# Altium PCB Copy of bms_R00.PcbDoc (part 1 of 3)
Units mm, origin at the board's own origin, x right, y up, seen from the top; angles counter-clockwise.
Board outline 110 x 142 mm, 2 copper layers (Top Layer, Bottom Layer); 311 components, 169 nets, 819 pads, 521 vias.
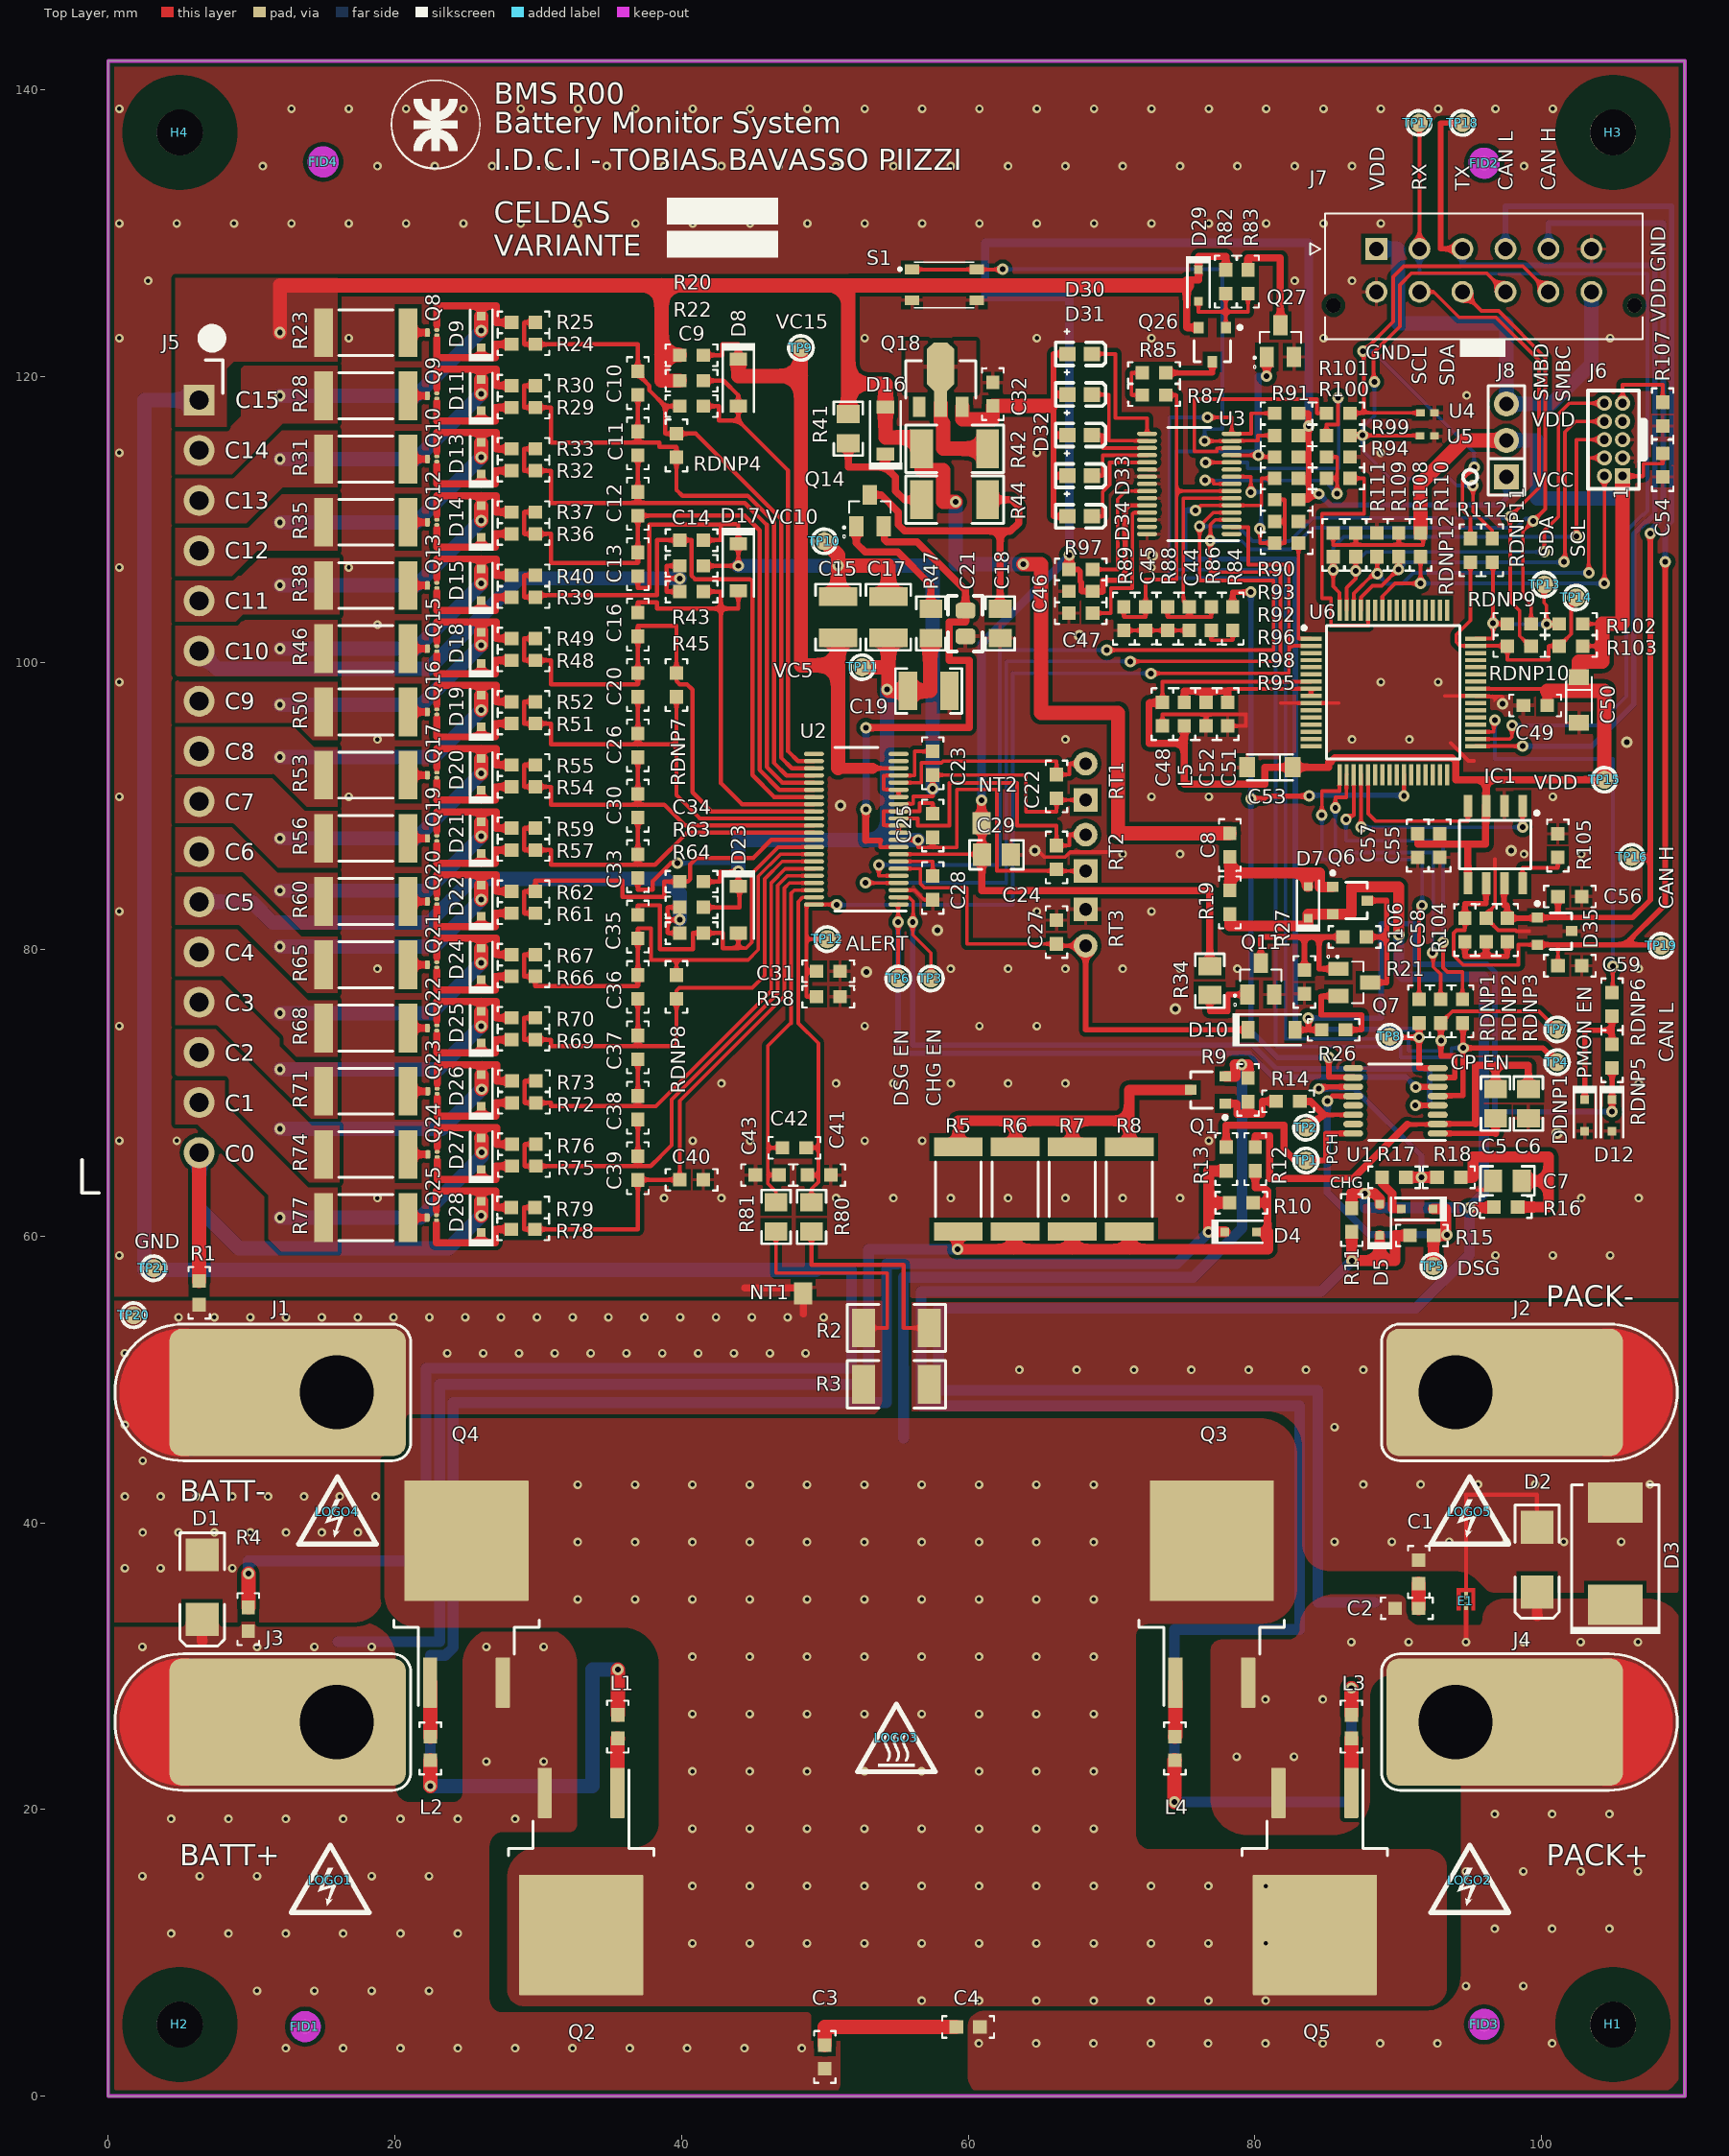
[diagram p0: Top Layer view]
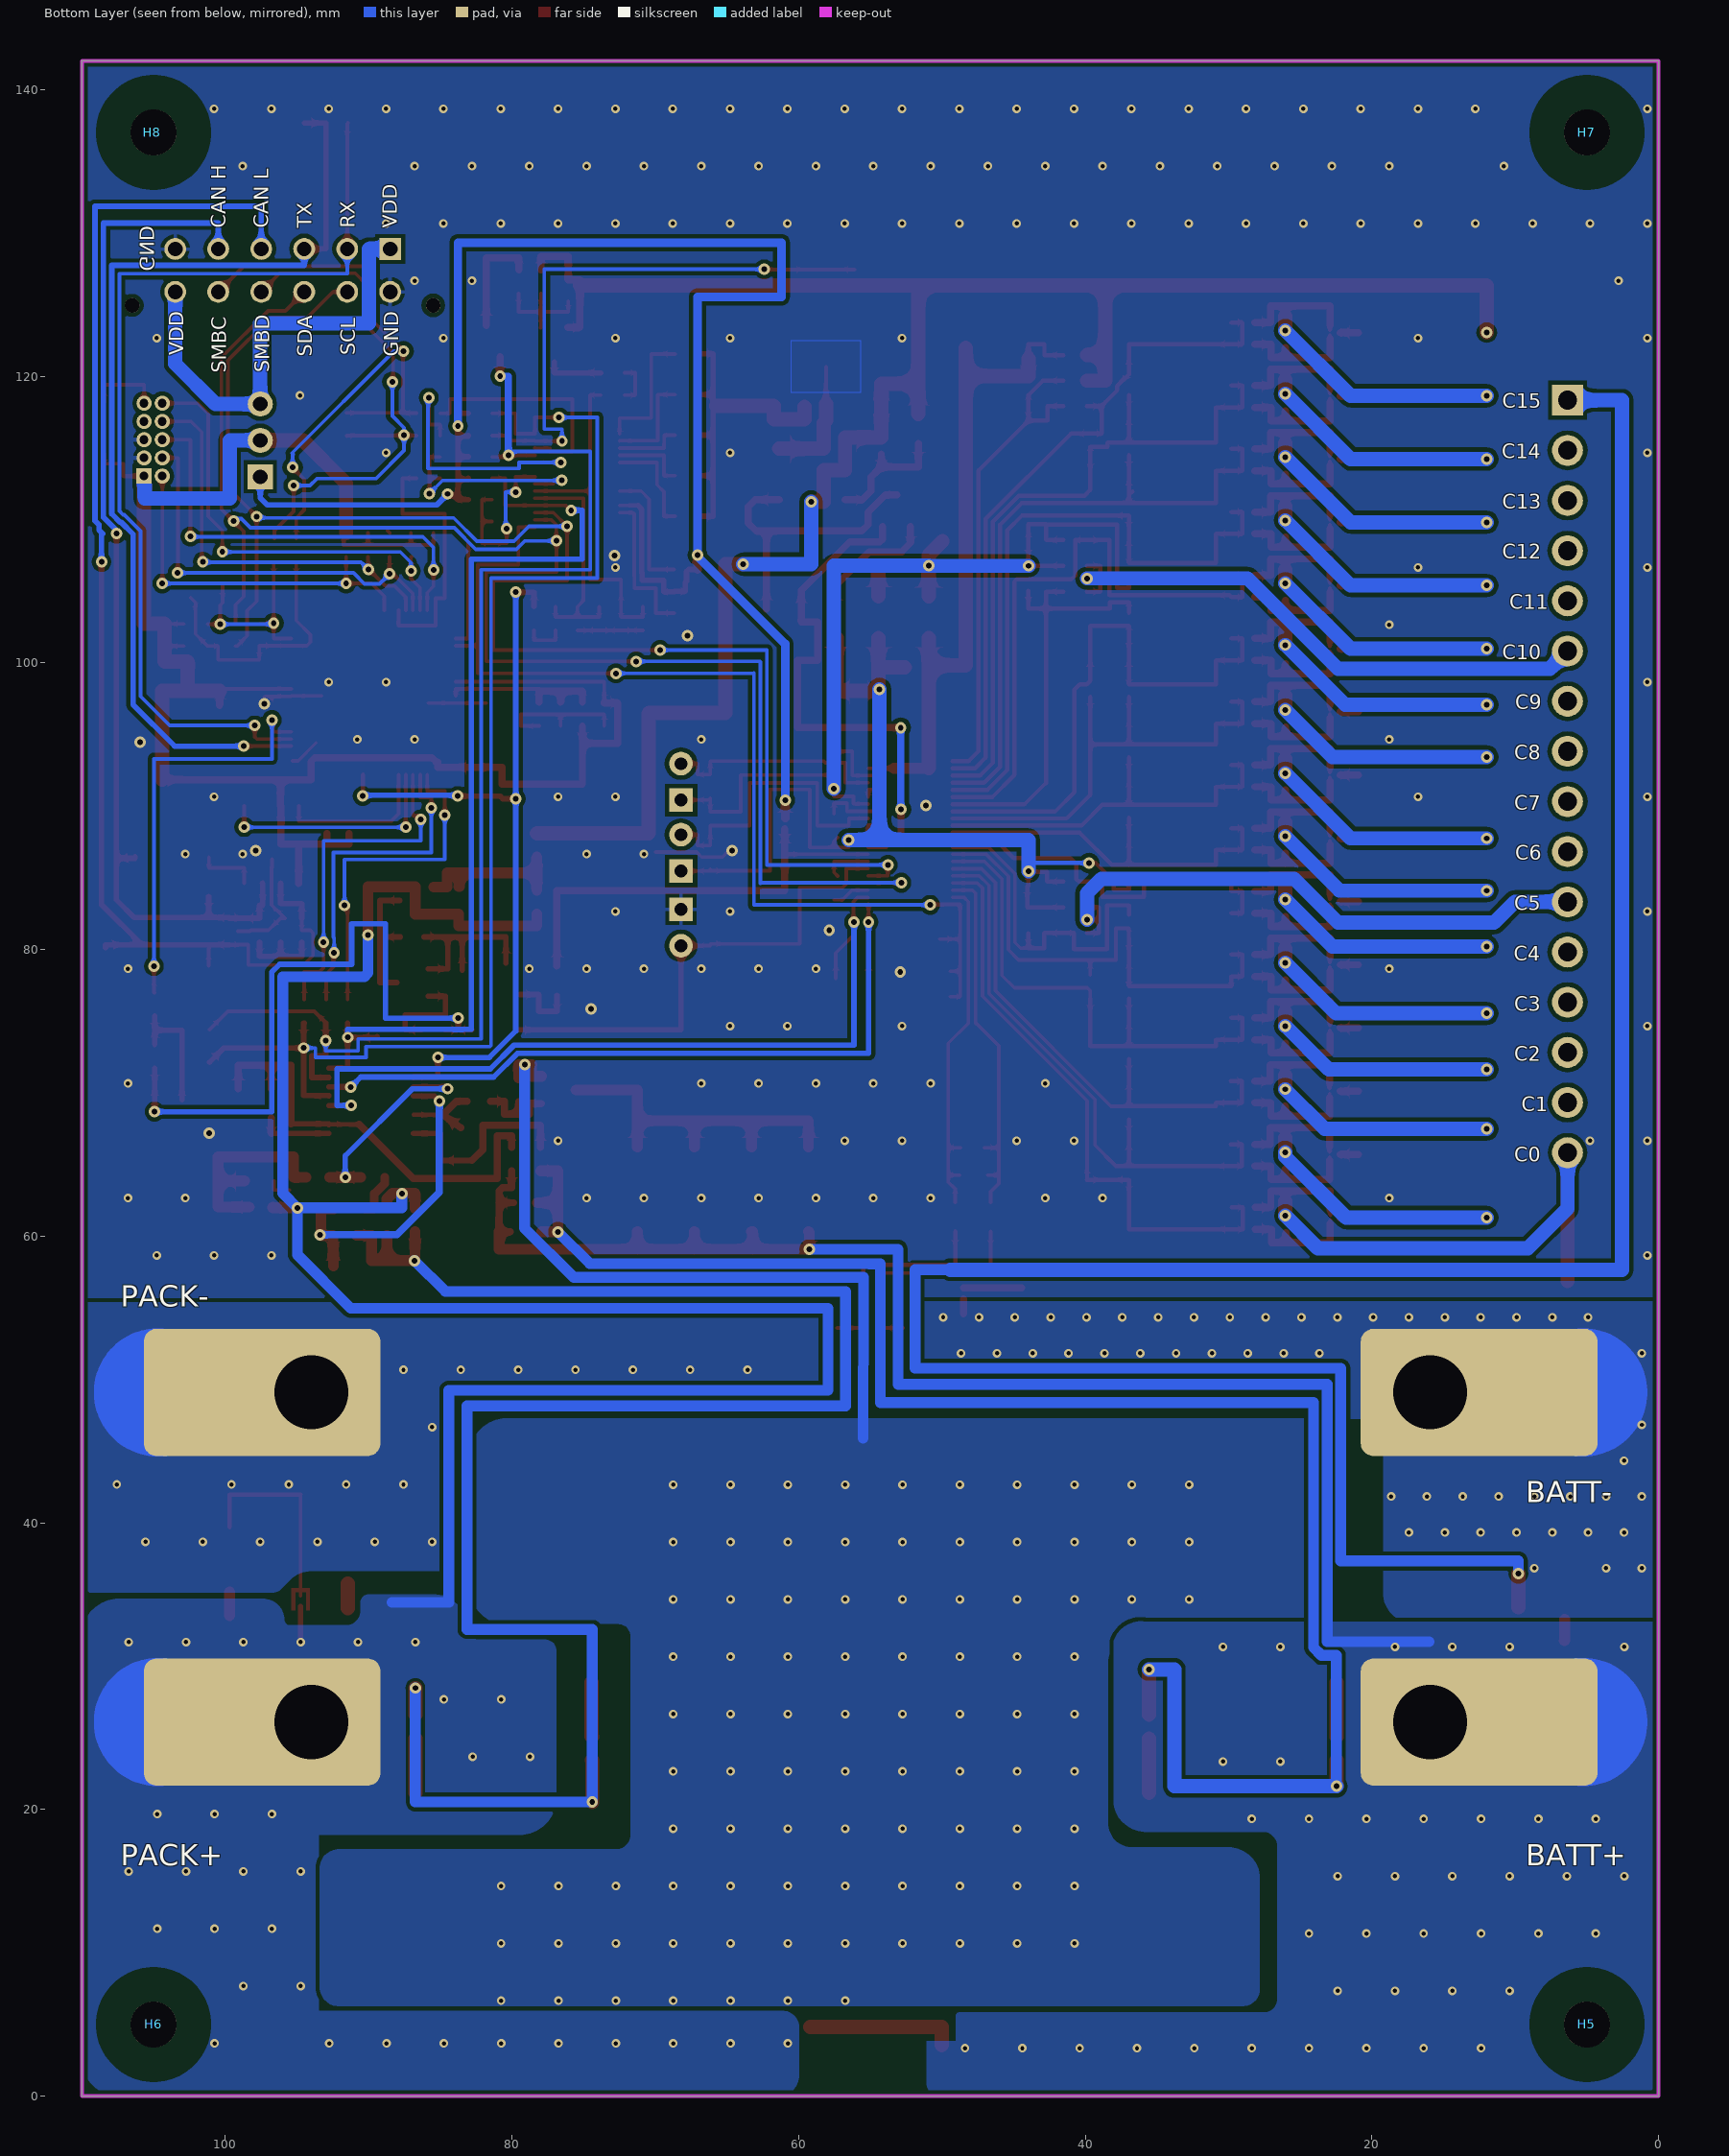
[diagram p1: Bottom Layer view, seen from below]

## Layer stack, top to bottom
Top Solder: solder mask 0.0102, Solder Resist, Dk 3.5
Top Layer: signal copper 0.0356
Dielectric 1: dielectric 0.32, FR-4, Dk 4.8
Bottom Layer: signal copper 0.0356
Bottom Solder: solder mask 0.0102, Solder Resist, Dk 3.5

## Board outline
0,0 110,0 110,142 0,142

## Design rules (kind name [scope] priority, off if disabled: settings)
Clearance Clearance_POLY [InPolygon] p1: gap=0.3 ignorepadtopadclearanceinfootprint=TRUE
Clearance [Not HasFootprint('YJC0003A')] p2: gap=0.2 ignorepadtopadclearanceinfootprint=TRUE
Clearance Clearance_YJC0003A [HasFootprint('YJC0003A')] p3: gap=0 ignorepadtopadclearanceinfootprint=TRUE
HoleSize [All] p1: absolutevalues=TRUE maxlimit=6 minlimit=0.025 maxpercent=80.000 minpercent=20.000
MinimumSolderMaskSliver [All] p1: minsoldermaskwidth=0.2
PolygonConnect PolygonConnect_BATT+_BATT-_ [InNet('BATT+') or InNet('NetQ1_2') or InNet('CD') or InNet('BATT-') or InNet('PACK-') or InNet('PACK+')] p1: connectstyle=Direct reliefconductorwidth=0.8 reliefentries=4 polygonreliefangle="90 Angle" airgapwidth=0.254
PolygonConnect PolygonConnect_BATT [InComponent('J5') or HasFootprint('2512')] p2: connectstyle=Direct reliefconductorwidth=0.254 reliefentries=4 polygonreliefangle="90 Angle" airgapwidth=0.254
PolygonConnect PolygonConnect_GND [IsVia or HasFootprint('LQFP64-NXP')] p3: connectstyle=Direct reliefconductorwidth=0.254 reliefentries=4 polygonreliefangle="90 Angle" airgapwidth=0.254
PolygonConnect [All] p4: connectstyle=Relief reliefconductorwidth=0.254 reliefentries=4 polygonreliefangle="90 Angle" airgapwidth=0.254
RoutingVias RoutingVias_Thermal [IsVia and InAnyComponent] p1: holewidth=0.6 width=0.6 viastyle="Through Hole" minholewidth=0.3 minwidth=0.6 maxholewidth=0.35 maxwidth=0.7
RoutingVias [All] p2: holewidth=0.4 width=0.8 viastyle="Through Hole" minholewidth=0.3 minwidth=0.6 maxholewidth=1.016 maxwidth=1.651 useviatemplates=TRUE viatemplateguid#1={D29B5D74-2D70-4FD3-8DB8-C743B85C67C7} viatemplateguid#2={ABEBCF98-4E6C-4675-89E7-E3AA939F9C25} viatemplatename#1=v60h30m0mx0 viatemplatename#2=v80h40m0mx0
ShortCircuit [All] p1: allowed=TRUE
SilkToSilkClearance [All] p1: silktosilkclearance=0.2
SolderMaskExpansion [All] p1: expansion=0.102
UnRoutedNet [All] p1: checkbadconnections=TRUE
Width Width_70V [(InNet('VDDCP') OR InNet('CHG') OR InNet('DSG') OR InNet('CD') OR InNet('PCHG') OR InNet('PDRAIN') OR InNet('CGATE') OR InNet('PGATE') OR InNet('DGATE') OR InNet('PACK') OR InNet('PACKDIV') OR InNet('PACK+'))] p1: maxlimit=1.27 minlimit=0.3 preferedwidth=0.762
Width [All] p2: maxlimit=2.54 minlimit=0.2 preferedwidth=0.254
25 further rules are at their usual default settings.

## Classes and differential pairs
component class bms_BLOCKS_R00: FID1 FID2 FID3 FID4 H1 H2 H3 H4 H5 H6 H7 H8 LOGO1 LOGO2 LOGO3 LOGO4 LOGO5 RDNP1 RDNP2 RDNP3
component class Designator: C8 C9 C10 C11 C12 C13 C14 C15 C16 C17 C18 C19 C20 C21 C22 C23 C24 C25 C26 C27 C28 C29 C30 C31 C32 C33 C34 C35 C36 C37 C38 C39 C40 C41 C42 C43 C? D7 D8 D9 D10 D11 D12 D13 D14 D15 D16 D17 D18 D19 D20 D21 D22 D23 D24 D25 D26 D27 D28 D? DDNP1 J5 J? L? NT2 Q6 Q7 Q8 Q9 Q10 Q11 Q12 Q13 Q14 Q15 Q16 Q17 Q18 Q19 Q20 Q21 Q22 Q23 Q24 Q25 Q? R19 R20 R21 R22 R23 R24 R25 R26 R27 R28 R29 R30 R31 R32 R33 R34 R35 R36 R37 R38 R39 R40 R41 R42 R43 R44 R45 R46 R47 R48 R49 R50 R51 R52 R53 R54 R55 R56 R57 R58 R59 R60 R61 R62 R63 R64 R65 R66 R67 R68 R69 R70 R71 R72 R73 R74 R75 R76 R77 R78 R79 R80 R81 R? RDNP4 RDNP5 RDNP6 RDNP7 RDNP8 RT1 RT2 RT3 TP9 TP10 TP11 TP12 U2

## Components (designator, comment, footprint, x,y, rotation, side; value= is the part's Value field where it differs from the comment)
C1 "100nF" C0603 91.44,36.576 r90 top
C2 "100nF" C0603 90.615,34.036 r0 top
C3 "100nF" C0603 50,2.73 r90 top
C4 "100nF" C0603 60,4.826 r0 top
C5 "1.5µF" 0805_HV_2 96.799,69.253 r270 top
C6 "10nF" 0805_HV_2 99.085,69.253 r90 top
C7 "10nF" 0805_HV_2 97.625,63.856 r180 top
C8 "470pF" C0603 78.257,87.287 r90 top
C9 "220nF" C0603 40.704,117.907 r0 top
C10 "220nF" C0603 36.957,119.52 r90 top
C11 "220nF" C0603 36.957,115.307 r90 top
C12 "220nF" C0603 36.957,111.093 r90 top
C13 "220nF" C0603 36.957,106.88 r90 top
C14 "220nF" C0603 40.704,108.56 r180 top
C15 "10µF" 1210_270 50.927,103.18 r270 top
C16 "220nF" C0603 36.957,102.666 r90 top
C17 "10µF" 1210_270 54.441,103.18 r90 top
C18 "1µF" 0805_HV_2 62.231,102.743 r90 top
C19 "10µF" 1210_270 57.247,98.044 r180 top
C20 "220nF" C0603 36.957,98.453 r90 top
C21 "1µF" 0805 59.817,102.743 r90 top
C22 "4700pF" C0603 66.167,91.377 r90 top
C23 "1µF" C0603 57.531,92.995 r90 top
C24 "4700pF" C0603 66.167,86.424 r90 top
C25 "1µF" C0603 57.531,88.646 r90 top
C26 "220nF" C0603 36.957,94.239 r90 top
C27 "4700pF" C0603 66.167,81.217 r270 top
C28 "1µF" C0603 57.531,84.297 r90 top
C29 "4.7µF" 0805_HV_2 61.976,86.614 r180 top
C30 "220nF" C0603 36.957,90.026 r90 top
C31 "470pF" C0603 50.241,78.486 r180 top
C32 "220nF" C0603 61.722,118.745 r270 top
C33 "220nF" C0603 36.957,85.812 r90 top
C34 "220nF" C0603 40.704,84.734 r180 top
C35 "220nF" C0603 36.957,81.599 r90 top
C36 "220nF" C0603 36.957,77.385 r90 top
C37 "220nF" C0603 36.957,73.172 r90 top
C38 "220nF" C0603 36.957,68.958 r90 top
C39 "220nF" C0603 36.957,64.745 r90 top
C40 "220nF" C0603 40.704,63.932 r180 top
C41 "220nF" C0603 49.606,64.262 r0 top
C42 "220nF" C0603 47.879,66.167 r0 top
C43 "220nF" C0603 45.974,64.262 r0 top
C44 "3.3nF" C0603 75.438,103.085 r90 top
C45 "3.3nF" C0603 72.39,103.085 r90 top
C46 "100nF" C0603 67.857,104.99 r0 top
C47 "100nF" C0603 67.857,103.466 r0 top
C48 "100nF" C0603 73.558,96.418 r90 top
C49 "100nF" C0603 99.568,97.028 r0 top
C50 "10uF/16V" "1206 Cap Tant" 102.616,97.409 r90 top
C51 "100nF" C0603 78.104,96.418 r90 top
C52 "100nF" C0603 76.606,96.418 r90 top
C53 "10uF/16V" "1206 Cap Tant" 81.051,92.71 r0 top
C54 "100nF" C0603 108.458,113.792 r90 top
C55 "100nF" C0603 91.364,87.249 r90 top
C56 "100pF/50V" C0603 101.981,83.693 r180 top
C57 "100nF" C0603 92.913,87.249 r270 top
C58 "39nF" C0603 96.139,81.356 r270 top
C59 "100pF/50V" C0603 101.981,78.867 r0 top
D1 "SMAJ60CA" DO-214AB(SMA) 6.553,35.509 r270 top
D2 "SMAJ60CA" DO-214AB(SMA) 99.695,37.429 r270 top
D3 "ES3D-E3/57T" SMC 105.156,37.846 r90 top value=200V
D4 "MMSZ5246BS-7-F" sod-323 79.019,60.3 r0 top value=16V
D5 "MMSZ5246BS-7-F" sod-323 88.722,61.146 r90 top value=16V
D6 "MMSZ5246BS-7-F" sod-323 91.338,61.896 r180 top value=16V
D7 "MMSZ5248BS-7-F" sod-323 83.718,83.287 r90 top value=18V
D8 "1N4148W-7-F" SOD-123 43.967,119.558 r270 top value=100V
D9 "MMSZ5232BS-7-F" sod-323 26.035,123.093 r90 top value=5.6V
D10 "1N4148W-7-F" SOD-123 81.178,74.397 r0 top value=100V
D11 "MMSZ5232BS-7-F" sod-323 26.035,118.683 r90 top value=5.6V
D12 "MMSZ5228BS-7-F" sod-323 104.927,68.428 r270 top value=3.9V
D13 "MMSZ5232BS-7-F" sod-323 26.035,114.271 r90 top value=5.6V
D14 "MMSZ5232BS-7-F" sod-323 26.035,109.861 r90 top value=5.6V
D15 "MMSZ5232BS-7-F" sod-323 26.035,105.45 r90 top value=5.6V
D16 "1N4148W-7-F" SOD-123 54.229,116.205 r90 top value=100V
D17 "1N4148W-7-F" SOD-123 43.967,106.668 r270 top value=100V
D18 "MMSZ5232BS-7-F" sod-323 26.035,101.04 r90 top value=5.6V
D19 "MMSZ5232BS-7-F" sod-323 26.035,96.629 r90 top value=5.6V
D20 "MMSZ5232BS-7-F" sod-323 26.035,92.219 r90 top value=5.6V
D21 "MMSZ5232BS-7-F" sod-323 26.035,87.81 r90 top value=5.6V
D22 "MMSZ5232BS-7-F" sod-323 26.035,83.399 r90 top value=5.6V
D23 "1N4148W-7-F" SOD-123 43.967,82.779 r270 top value=100V
D24 "MMSZ5232BS-7-F" sod-323 26.035,78.988 r90 top value=5.6V
D25 "MMSZ5232BS-7-F" sod-323 26.035,74.578 r90 top value=5.6V
D26 "MMSZ5232BS-7-F" sod-323 26.035,70.167 r90 top value=5.6V
D27 "MMSZ5232BS-7-F" sod-323 26.035,65.757 r90 top value=5.6V
D28 "MMSZ5232BS-7-F" sod-323 26.035,61.346 r90 top value=5.6V
D29 "MMSZ5248BS-7-F" sod-323 76.073,126.328 r270 top value=18V
D30 "LED GREEN" LED0603-G 67.78,121.551 r180 top
D31 "LED YELLOW" LED0603-Y 67.78,118.719 r180 top
D32 "LED YELLOW" LED0603-Y 67.78,115.887 r180 top
D33 "LED RED" LED0603-R 67.78,113.055 r180 top
D34 "LED RED" LED0603-R 67.78,110.223 r180 top
D35 "NUP2105L" SOT-23#1 100.914,81.281 r270 top
DDNP1 "MMSZ5228BS-7-F" sod-323 103.022,68.428 r270 top value=3.9V
E1 "N/A" SPARK_GAP2 94.742,34.671 r180 top
FID1 "Fiducial" Fiducial10-20 13.741,4.851 r180 top
FID2 "Fiducial" Fiducial10-20 96,134.861 r180 top
FID3 "Fiducial" Fiducial10-20 96,5 r180 top
FID4 "Fiducial" Fiducial10-20 15,134.95 r180 top
H1 "NY PMS 440 0025 PH" "NY PMS 440 0025 PH" 105,5 r0 top locked
H2 "NY PMS 440 0025 PH" "NY PMS 440 0025 PH" 5,5 r0 top locked
H3 "NY PMS 440 0025 PH" "NY PMS 440 0025 PH" 105,137 r0 top
H4 "NY PMS 440 0025 PH" "NY PMS 440 0025 PH" 5,137 r0 top
H5 "1902C" Keystone_1902C 5,5 r180 bottom locked
H6 "1902C" Keystone_1902C 105,5 r180 bottom locked
H7 "1902C" Keystone_1902C 5,137 r180 bottom
H8 "1902C" Keystone_1902C 105.098,137 r180 bottom
IC1 "TJA1441xx" SOIC8 96.774,87.318 r270 top
J1 "L35" TB_L35 15.949,49.099 r180 top
J2 "L35" TB_L35 94,49.099 r0 top
J3 "L35" TB_L35 15.949,26.099 r180 top
J4 "L35" TB_L35 94,26.099 r0 top
J5 "395021011" HEADER_395021016 2.85,100.823 r270 top
J6 "HEADER5x2-1.27mm" PAD10-2X05-HH 105.664,113.03 r90 top
J7 "430451212" MOLEX_430451212 88.491,128.88 r180 top
J8 "PIN3" SIP3 97.561,115.519 r90 top
L1 "BLM18SG221TN1D" "0603 FB" 35.56,25.781 r270 top value="220 ohm"
L2 "BLM18SG221TN1D" "0603 FB" 22.479,24.257 r90 top value="220 ohm"
L3 "BLM18SG221TN1D" "0603 FB" 86.741,25.781 r270 top value="220 ohm"
L4 "BLM18SG221TN1D" "0603 FB" 74.422,24.257 r90 top value="220 ohm"
L5 "Ferrite Bead 1K" "0603 FB" 75.082,96.418 r90 top
LOGO1 "DANGER HIGH VOLTAGE" IEC_HighVoltage_Small 15.494,15.037 r0 top
LOGO2 "DANGER HIGH VOLTAGE" IEC_HighVoltage_Small 95,15.037 r0 top
LOGO3 "CAUTION HOT SURFACE" IEC_HotSurface_Small 55,25 r0 top
LOGO4 "DANGER HIGH VOLTAGE" IEC_HighVoltage_Small 16.002,40.742 r0 top
LOGO5 "DANGER HIGH VOLTAGE" IEC_HighVoltage_Small 95,40.742 r0 top
NT1 "Net-Tie" Net-Tie_50milWide_30milLong 48.489,56.007 r270 top net-tie
NT2 "Net-Tie" Net-Tie_50milWide_30milLong 60.935,88.798 r90 top net-tie
Q1 "ZXMP10A13FTA" SOT-23#1 76.733,70.206 r90 top value=-100V
Q2 "CSD19536KTT" KTT0002A_N 33,15 r270 top value=100V
Q3 "CSD19536KTT" KTT0002A_N 77,35 r90 top value=100V
Q4 "CSD19536KTT" KTT0002A_N 25,35 r90 top value=100V
Q5 "CSD19536KTT" KTT0002A_N 84.19,15 r270 top value=100V
Q6 "ZXMP10A13FTA" SOT-23#1 86.639,83.414 r270 top value=-100V
Q7 "BSS123" SOT-23#2 86.936,77.699 r270 top value=100V
Q8 "CSD13381F4" YJC0003A 22.606,123.038 r180 top value=12V
Q9 "CSD13381F4" YJC0003A 22.606,118.627 r180 top value=12V
Q10 "CSD13381F4" YJC0003A 22.606,114.217 r180 top value=12V
Q11 "BSS123" SOT-23#2 80.416,77.953 r0 top value=100V
Q12 "CSD13381F4" YJC0003A 22.606,109.806 r180 top value=12V
Q13 "CSD13381F4" YJC0003A 22.606,105.395 r180 top value=12V
Q14 "BST82,215" SOT-23#2 53.147,110.617 r0 top value=100V
Q15 "CSD13381F4" YJC0003A 22.606,100.985 r180 top value=12V
Q16 "CSD13381F4" YJC0003A 22.606,96.574 r180 top value=12V
Q17 "CSD13381F4" YJC0003A 22.606,92.164 r180 top value=12V
Q18 "ZXTN19100CZTA" SOT-89-3 58.086,119.761 r90 top value="100 V"
Q19 "CSD13381F4" YJC0003A 22.606,87.753 r180 top value=12V
Q20 "CSD13381F4" YJC0003A 22.606,83.343 r180 top value=12V
Q21 "CSD13381F4" YJC0003A 22.606,78.932 r180 top value=12V
Q22 "CSD13381F4" YJC0003A 22.606,74.522 r180 top value=12V